# KiCad board Z3660_v021.kicad_pcb (continued)
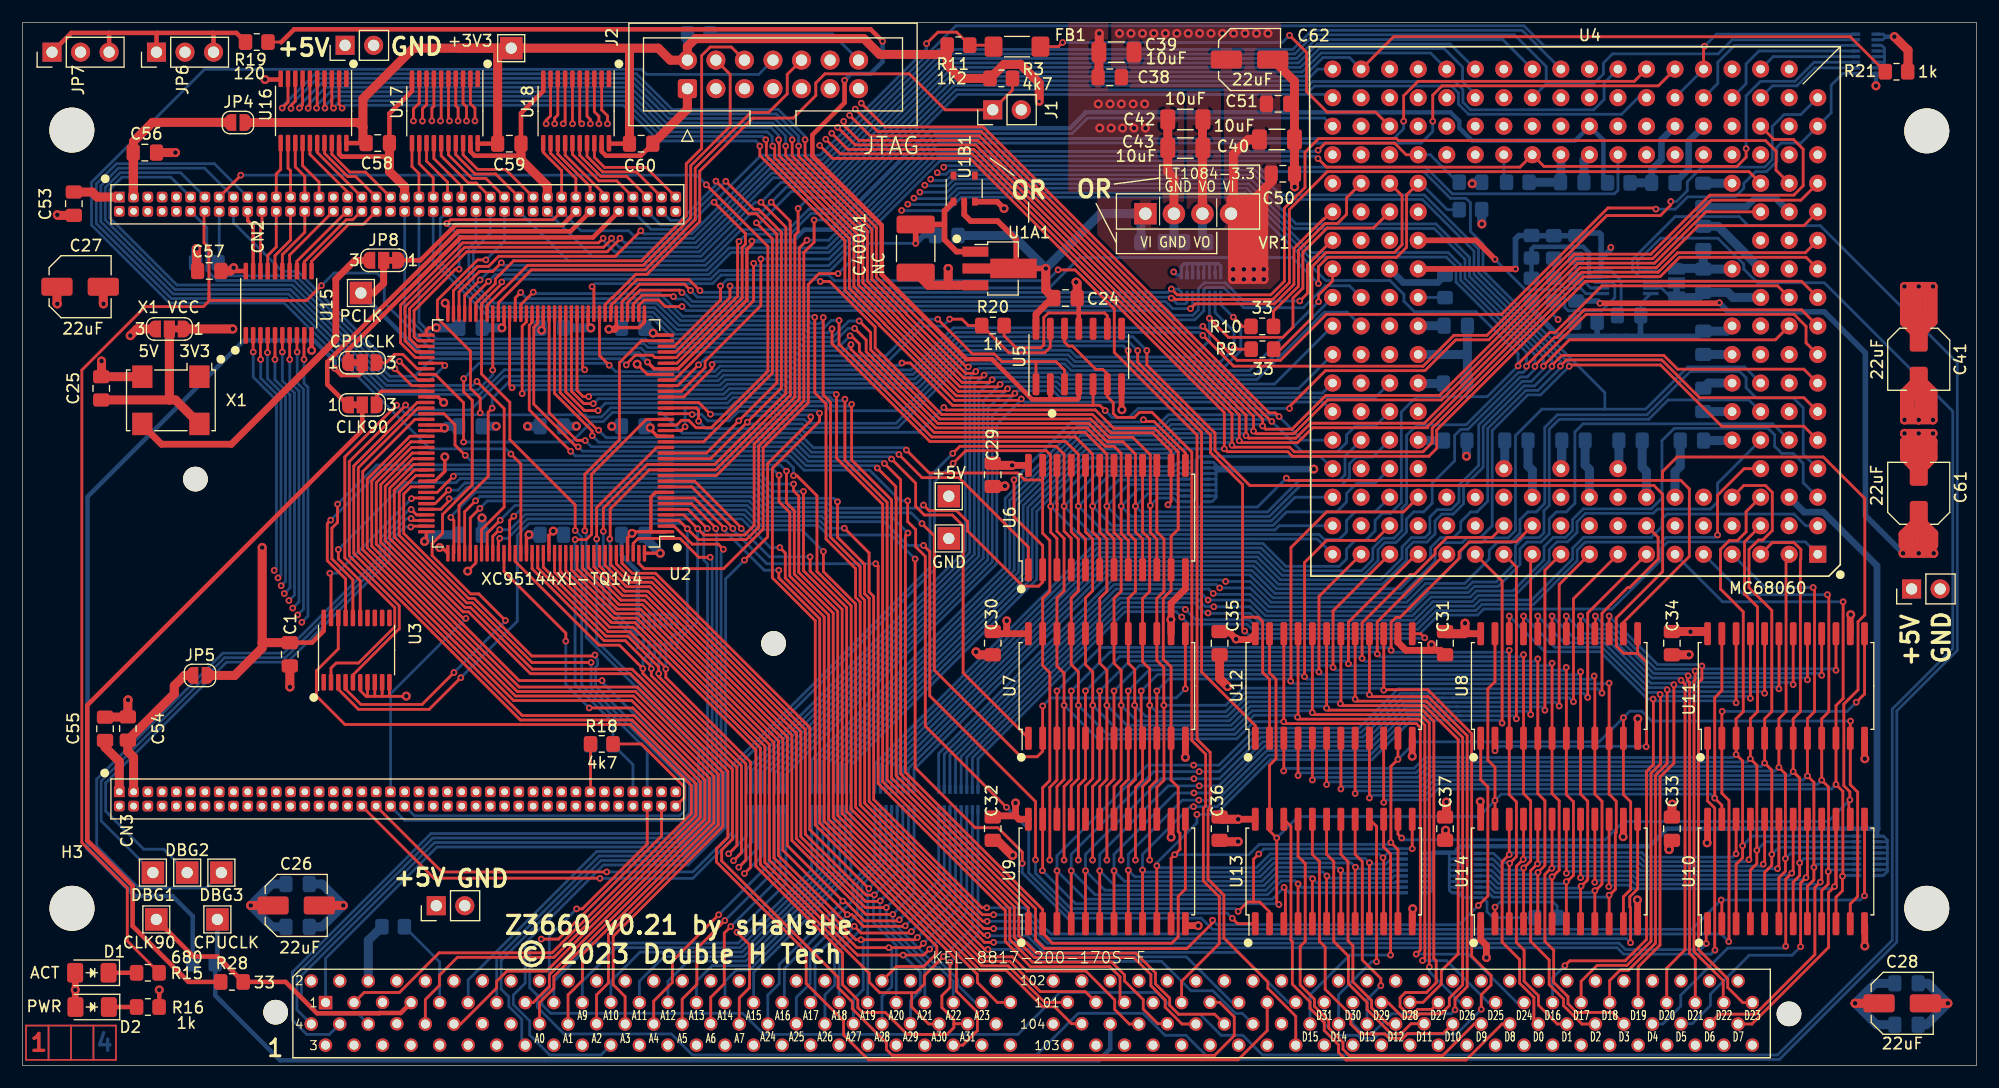
[diagram p0: board, top side]
## Routing (per net, layer and track width the routed paths; a pad name or vN(x,y) marks a point on that pad's centre or on a via; arc(x,y) is an arc through that point) (continued)
D20: length 58.3
  Top w0.25: v2(147.62,34.29) 147.98,33.94 147.98,10.3 146.35,8.67 CN1.185 ; 137.41,38.43 v2(137.41,40.01) ; 157.61,38.43 v2(157.61,33.91)
  Bottom w0.25: v2(137.41,40.01) 138.99,38.43 141.1,38.43 145.04,34.49 147.43,34.49 v2(147.62,34.29) 147.81,34.11 157.41,34.11 v2(157.61,33.91)
D21: length 57.6
  Top w0.25: v2(148.26,34.69) 148.21,34.64 148.21,34.27 148.38,34.1 148.38,9.99 148.89,9.48 CN1.189 ; 138.68,38.43 v2(138.68,40.01) ; 158.88,38.43 v2(158.88,34.33)
  Bottom w0.25: v2(158.88,34.33) 158.7,34.51 148.44,34.51 v2(148.26,34.69) 148.06,34.89 145.2,34.89 141.26,38.83 139.86,38.83 v2(138.68,40.01)
D22: length 58.3
  Top w0.25: 139.95,38.43 140,38.48 v2(140,40.01) ; 160.15,38.43 v2(160.15,34.73) ; CN1.193 151.38,5.65 151.38,7.55 148.78,10.15 148.78,33.94 148.78,34.26 148.88,34.36 v2(148.88,35.11)
  Bottom w0.25: v2(160.15,34.73) 159.97,34.91 149.08,34.91 v2(148.88,35.11) 148.7,35.29 145.37,35.29 141.43,39.23 140.77,39.23 v2(140,40.01)
D23: length 59.6
  Top w0.25: 161.42,38.43 v2(161.42,35.18) ; v2(149.48,35.56) 149.48,34.39 149.18,34.09 149.18,10.32 151.78,7.72 151.78,6.94 153.12,5.6 CN1.197 ; 141.22,38.43 v2(141.22,40.01)
  Bottom w0.25: v2(161.42,35.18) 161.29,35.31 149.73,35.31 v2(149.48,35.56) 149.35,35.69 145.54,35.69 v2(141.22,40.01)
D24: length 105.9
  Top w0.25: 112.27,38.43 112.27,30.62 v2(112.25,30.61) 112.43,30.43 124.08,30.43 124.42,30.09 124.42,10.28 v2(124.05,9.92) ; U6.22 92.08,50.03 92.1,50.01 92.1,49.53 92.08,49.51 92.08,47.56 92.71,46.92 92.71,42.25 92.08,41.62 92.08,35.56 92.71,34.93 v2(92.71,32.06) 92.71,25.46 92.08,24.83 U9.22
  Bottom w0.25: v2(112.25,30.61) 109.61,30.61 108.09,29.08 95.69,29.08 v2(92.71,32.06) ; v2(124.05,9.92) 128.7,9.92 133.01,5.6 CN1.165
D25: length 102.1
  Top w0.25: U9.21 93.35,24.89 93.98,25.53 v2(93.98,32.06) 93.98,35.05 93.35,35.69 93.35,41.62 93.98,42.25 93.98,46.86 93.35,47.5 U6.21 ; 113.54,38.43 113.54,31.06 v2(113.49,31.01) 113.66,30.83 124.29,30.83 124.82,30.3 124.82,9.55 v2(124.61,9.34)
  Bottom w0.25: v2(124.61,9.34) 126.74,9.34 130.48,5.6 CN1.161 ; v2(113.49,31.01) 113.31,31.18 109.62,31.18 107.92,29.48 96.56,29.48 v2(93.98,32.06)
D26: length 98.2
  Top w0.25: U9.20 94.61,24.89 95.26,25.53 v2(95.26,32.06) 95.26,35.04 94.61,35.69 94.61,41.62 95.25,42.25 95.25,46.86 94.61,47.5 U6.20 ; 114.81,38.43 v2(114.81,31.41) 114.98,31.23 124.45,31.23 125.22,30.47 125.22,8.77 v2(125.22,8.76)
  Bottom w0.25: v2(95.26,32.06) 97.44,29.88 107.76,29.88 109.46,31.58 114.63,31.58 v2(114.81,31.41) ; CN1.157 127.98,5.6 125.22,8.36 v2(125.22,8.76)
D27: length 102.1
  Top w0.25: CN1.153 125.43,4.99 124.19,4.99 123.95,4.75 123.13,4.75 122.62,5.26 122.62,6.03 123.09,6.5 124.97,6.5 125.83,7.36 125.83,9.32 125.62,9.53 125.62,30.63 124.62,31.63 116.25,31.63 v2(116.08,31.81) 116.08,38.43 ; U6.19 95.89,47.5 96.52,46.86 96.52,42.23 95.89,41.59 95.89,35.81 96.52,35.18 v2(96.52,32.06) 96.52,25.46 95.89,24.83 U9.19
  Bottom w0.25: v2(116.08,31.81) 115.9,31.98 109.29,31.98 107.59,30.28 98.3,30.28 v2(96.52,32.06)
D28: length 97.3
  Top w0.25: 117.35,38.43 117.35,32.26 v2(117.3,32.21) 117.47,32.03 124.78,32.03 127.79,29.03 127.79,9.93 126.29,8.43 126.29,7.26 124.66,5.63 CN1.149 ; 97.16,53.42 97.16,47.44 97.79,46.81 97.79,42.2 97.16,41.57 97.16,35.81 97.79,35.18 v2(97.79,32.06) 97.79,25.46 97.16,24.82 97.16,21.92
  Bottom w0.25: v2(97.79,32.06) 99.17,30.68 107.42,30.68 109.13,32.38 117.12,32.38 v2(117.3,32.21)
D29: length 101.5
  Top w0.25: U9.17 98.42,24.83 99.05,25.46 99.05,32 v2(98.99,32.06) 99,32.08 99,35.24 98.42,35.81 98.42,41.57 99.06,42.2 99.06,46.74 98.42,47.37 U6.17 ; CN1.145 121.55,5.6 122.84,4.32 124.08,4.32 124.36,4.6 126.26,4.6 127,5.33 127,5.99 128.19,7.18 128.19,29.2 124.95,32.43 118.79,32.43 v2(118.62,32.61) 118.62,38.43
  Bottom w0.25: v2(118.62,32.61) 118.44,32.78 108.96,32.78 107.26,31.08 99.97,31.08 v2(98.99,32.06)
D30: length 105.8
  Top w0.25: v2(127.51,4.95) 127.51,5.93 128.59,7.01 128.59,29.36 125.12,32.83 120.06,32.83 v2(119.89,33.01) 119.89,38.43 ; U6.16 99.7,47.5 100.33,46.86 100.33,42.2 99.7,41.57 99.7,35.94 100.33,35.31 v2(100.33,32.06) 100.33,25.46 99.7,24.83 U9.16
  Bottom w0.25: v2(127.51,4.95) 127.16,4.6 121.89,4.6 120.11,2.82 119.32,2.82 118.41,3.73 CN1.141 ; v2(119.89,33.01) 119.71,33.18 108.79,33.18 107.09,31.48 100.91,31.48 v2(100.33,32.06)
D31: length 110.4
  Top w0.25: U9.15 100.97,24.77 101.6,25.4 101.6,32.05 v2(101.59,32.06) 101.59,35.43 100.97,36.06 100.97,41.57 101.6,42.21 101.6,46.86 100.97,47.5 U6.15 ; 121.16,33.45 125.08,33.45 128.99,29.54 128.99,9.74 130.72,8.01 130.72,7.17 129.84,6.3 v2(129.84,5) ; 121.16,33.45 121.17,33.46 121.17,38.42 121.16,38.43 ; 121.16,33.45 v2(121.16,33.41)
  Bottom w0.25: v2(101.59,32.06) 107.11,32.06 108.63,33.58 120.98,33.58 v2(121.16,33.41) ; CN1.137 115.87,3.73 116.91,2.69 118.85,2.69 119.13,2.41 120.31,2.41 120.69,2.79 127.64,2.79 v2(129.84,5)
D040_0: length 200.5
  Top w0.25: U12.3 112.27,26.24 v2(112.25,26.22) ; U4.39 153.42,49.29 153.42,47.5 152.63,46.71 151.91,46.71 151.13,45.93 151.13,42.41 153.16,40.39 153.16,31.5 152.53,30.86 U11.3 v2(152.53,27.69) 153.1,27.11 v2(153.1,19.56) 153.1,18.48 152.53,17.91 U10.3
  In2.Cu w0.25: v2(112.25,26.22) 112.1,26.07 110.35,26.07 105.31,31.12 19.18,31.12 CN3.7
  Bottom w0.25: RN12.8 153.96,20.42 v2(153.1,19.56) ; v2(112.25,26.22) 112.48,26.45 123.86,26.45 124.82,27.41 152.25,27.41 v2(152.53,27.69)
D040_1: length 195.3
  Top w0.25: U4.21 153.27,46.61 153.27,41.97 154.43,40.81 154.43,31.5 153.8,30.86 U11.4 v2(153.8,27.31) 154.37,26.73 v2(154.37,19.16) 154.37,17.97 153.8,17.4 U10.4 ; U12.4 v2(113.54,25.82)
  In2.Cu w0.25: v2(113.54,25.82) 113.37,25.65 110.21,25.65 105.14,30.72 20.05,30.72 CN3.9
  Bottom w0.25: v2(113.54,25.82) 113.77,26.05 124.02,26.05 124.99,27.01 153.5,27.01 v2(153.8,27.31) ; RN12.7 155.13,19.92 v2(154.37,19.16)
D040_2: length 202.3
  Top w0.25: U10.5 155.07,17.19 155.7,17.83 v2(155.7,18.8) 155.7,26.29 v2(155.07,26.92) U11.5 155.07,30.86 155.7,31.5 155.7,40.51 153.67,42.54 153.67,45.93 154.51,46.77 154.9,46.77 155.75,47.61 155.75,51.01 155.14,51.62 153.21,51.62 U4.40 ; U12.5 v2(114.81,25.42)
  In2.Cu w0.25: v2(114.81,25.42) 114.63,25.24 110.05,25.24 104.98,30.32 20.92,30.32 CN3.11
  Bottom w0.25: v2(155.07,26.92) 154.76,26.61 125.16,26.61 124.19,25.65 115.04,25.65 v2(114.81,25.42) ; v2(155.7,18.8) 156.32,19.42 RN12.6
D040_3: length 189.6
  Top w0.25: U12.6 v2(116.08,25.02) ; U4.2 156.97,45.23 156.97,31.5 156.34,30.86 U11.6 v2(156.34,26.54) 156.91,25.97 v2(156.91,18.42) 156.91,17.29 156.34,16.71 U10.6
  In2.Cu w0.25: v2(116.08,25.02) 115.9,24.84 109.89,24.84 104.81,29.92 21.79,29.92 CN3.13
  Bottom w0.25: v2(116.08,25.02) 116.31,25.25 124.36,25.25 125.32,26.21 156.01,26.21 v2(156.34,26.54) ; RN12.5 157.42,18.92 v2(156.91,18.42)
D040_4: length 192.6
  Top w0.25: v2(157.61,26.16) 158.18,25.59 v2(158.18,18.03) 158.18,16.91 157.61,16.33 157.61,12.62 ; v2(157.61,26.16) 157.61,30.86 158.24,31.5 158.24,45.03 158.29,45.07 158.29,45.93 157.68,46.54 155.75,46.54 U4.3 ; v2(157.61,26.16) 158.12,25.65 ; U12.7 v2(117.35,24.62)
  In2.Cu w0.25: v2(117.35,24.62) 117.17,24.44 109.72,24.44 104.65,29.52 23.93,29.52 18.78,24.36
  Bottom w0.25: v2(158.18,18.03) 158.57,18.42 RN12.4 ; v2(117.35,24.62) 117.58,24.85 124.52,24.85 125.49,25.81 157.26,25.81 v2(157.61,26.16)
D040_5: length 191.6
  Top w0.25: v2(159.38,42.55) 159.51,42.42 159.51,31.5 158.88,30.87 U11.8 v2(158.88,25.78) 159.45,25.21 v2(159.45,17.63) 159.45,16.53 158.88,15.95 U10.8 ; U12.8 v2(118.62,24.22)
  In2.Cu w0.25: v2(118.62,24.22) 118.44,24.04 109.55,24.04 104.48,29.12 24.8,29.12 CN3.19
  Bottom w0.25: v2(159.45,17.63) 159.74,17.92 RN12.3 ; v2(159.38,42.55) 155.13,42.55 U4.4 ; v2(118.62,24.22) 118.85,24.45 124.69,24.45 125.65,25.41 158.51,25.41 v2(158.88,25.78)
D040_6: length 194
  Top w0.25: U12.9 v2(119.89,23.82) ; v2(160.66,41.91) 160.78,41.78 160.78,31.5 160.15,30.86 U11.9 v2(160.15,25.4) 160.76,24.79 160.76,17.29 v2(160.72,17.26) 160.72,16.15 160.15,15.57 U10.9
  In2.Cu w0.25: v2(119.89,23.82) 119.71,23.64 109.39,23.64 104.31,28.72 25.67,28.72 CN3.21
  Bottom w0.25: v2(160.15,25.4) 159.76,25.01 125.82,25.01 124.85,24.05 120.12,24.05 v2(119.89,23.82) ; U4.5 153.23,41.91 v2(160.66,41.91) ; v2(160.72,17.26) 160.88,17.42 RN12.2
D040_7: length 196.5
  Top w0.25: v2(162.05,41.28) 162.05,32.67 161.42,32.04 U11.10 v2(161.42,25.02) 162.03,24.41 162.03,16.88 v2(161.99,16.84) 161.99,15.56 161.42,14.99 U10.10 ; U12.10 v2(121.16,23.42)
  In2.Cu w0.25: v2(121.16,23.42) 120.98,23.24 109.22,23.24 104.15,28.32 26.54,28.32 CN3.23
  Bottom w0.25: U4.6 151.32,41.28 v2(162.05,41.28) ; RN12.1 162.07,16.92 v2(161.99,16.84) ; v2(121.16,23.42) 121.39,23.65 125.02,23.65 125.98,24.61 161.01,24.61 v2(161.42,25.02)
D040_8: length 195.3
  Top w0.25: U13.3 112.41,12.76 112.41,15.74 v2(112.29,15.86) ; U4.25 145.59,47.01 145.59,45.07 143.06,42.55 142.88,42.55 140.59,40.26 v2(140.59,33.15) ; U9.3 v2(92.08,17.33)
  In2.Cu w0.25: CN3.27 28.68,27.92 101.95,27.92 103.13,26.74 v2(104.25,26.74)
  Bottom w0.25: v2(140.59,33.15) 140.21,33.53 122.46,33.53 118.96,30.03 109.8,30.03 106.5,26.74 v2(104.25,26.74) 100.14,26.74 92.08,18.67 v2(92.08,17.33) 94.61,14.8 111.24,14.8 v2(112.29,15.86) 112.77,15.38 RN11.9
D040_9: length 188.1
  Top w0.25: U9.4 v2(93.35,17.33) ; U4.7 139.32,40.27 v2(139.32,32.77) ; U13.4 v2(113.54,16.17)
  In2.Cu w0.25: v2(104.74,26.16) 103.14,26.16 101.79,27.52 29.55,27.52 CN3.29
  Bottom w0.25: RN11.10 122.91,15.86 113.84,15.86 v2(113.54,16.17) 113.27,16.44 112.06,16.44 110.82,15.2 95.48,15.2 v2(93.35,17.33) 93.35,18.8 100.71,26.16 v2(104.74,26.16) 106.54,26.16 110.01,29.63 119.13,29.63 122.62,33.13 138.95,33.13 v2(139.32,32.77)
D040_10: length 182.5
  Top w0.25: v2(138.05,32.39) 138.05,41.54 U4.8 ; U9.5 v2(94.61,17.33) ; v2(114.83,16.62) 114.81,16.6 U13.5
  In2.Cu w0.25: v2(104.27,25.53) 103.21,25.53 101.62,27.12 30.42,27.12 CN3.31
  Bottom w0.25: RN11.11 122.27,16.38 122.16,16.27 115.19,16.27 v2(114.83,16.62) 114.62,16.84 111.89,16.84 110.66,15.6 96.35,15.6 v2(94.61,17.33) 94.61,18.8 101.35,25.53 v2(104.27,25.53) 106.54,25.53 110.24,29.23 119.29,29.23 122.79,32.73 126.35,32.73 127.35,32.73 137.7,32.73 v2(138.05,32.39)
D040_11: length 177.6
  Top w0.25: U9.6 v2(95.89,17.33) ; v2(136.78,32) 136.78,42.81 U4.9 ; U13.6 116.08,16.85 v2(116.1,16.88)
  In2.Cu w0.25: v2(104.74,24.89) 103.28,24.89 101.45,26.72 31.29,26.72 CN3.33
  Bottom w0.25: v2(136.78,32) 136.45,32.33 122.96,32.33 119.46,28.83 110.42,28.83 106.48,24.89 v2(104.74,24.89) 101.98,24.89 95.89,18.8 v2(95.89,17.33) 97.22,16 110.49,16 111.72,17.24 115.74,17.24 v2(116.1,16.88) 116.31,16.67 121.89,16.67 122.1,16.88 RN11.12
D040_12: length 170.8
  Top w0.25: 97.16,12.62 v2(97.16,17.33) ; v2(117.32,17.38) 117.35,17.36 U13.7 ; U4.10 135.51,44.08 v2(135.51,31.62)
  In2.Cu w0.25: v2(104.27,24.26) 103.35,24.26 101.29,26.32 33.43,26.32 CN3.37
  Bottom w0.25: RN11.13 122.04,17.38 121.94,17.28 121.93,17.28 121.74,17.08 117.63,17.08 v2(117.32,17.38) 117.07,17.64 111.56,17.64 110.33,16.4 98.09,16.4 v2(97.16,17.33) 97.16,18.8 102.62,24.26 v2(104.27,24.26) 106.41,24.26 110.59,28.43 119.62,28.43 123.12,31.93 123.31,31.93 124.14,31.93 127.68,31.93 135.2,31.93 v2(135.51,31.62)
D040_13: length 164.7
  Top w0.25: v2(118.64,17.65) 118.62,17.63 U13.8 ; U9.8 v2(98.42,17.38) ; U4.11 134.24,45.35 v2(134.24,31.24)
  In2.Cu w0.25: 34.02,24.36 35.57,25.92 101.12,25.92 103.42,23.62 v2(104.71,23.62)
  Bottom w0.25: v2(134.24,31.24) 133.95,31.53 127.84,31.53 126.85,31.53 123.29,31.53 119.79,28.03 113.32,28.03 110.75,28.03 106.34,23.62 v2(104.71,23.62) 103.25,23.62 98.42,18.8 v2(98.42,17.38) 99.01,16.8 110.16,16.8 111.39,18.04 118.26,18.04 v2(118.64,17.65) 118.82,17.48 121.57,17.48 121.77,17.68 121.78,17.68 121.98,17.88 RN11.14
D040_14: length 159.9
  Top w0.25: U9.9 v2(99.7,17.4) ; v2(132.97,30.86) 132.97,44.39 U4.12 ; U13.9 v2(119.89,18.05)
  In2.Cu w0.25: CN3.43 36.44,25.52 100.96,25.52 103.43,23.04 v2(104.23,23.04)
  Bottom w0.25: RN11.15 121.79,18.38 121.34,17.92 120.02,17.92 v2(119.89,18.05) 119.51,18.44 111.23,18.44 109.99,17.2 99.89,17.2 v2(99.7,17.4) 99.7,18.8 103.94,23.04 v2(104.23,23.04) 106.33,23.04 110.92,27.63 112.49,27.63 113.49,27.63 119.95,27.63 123.45,31.13 124.7,31.13 128.01,31.13 132.7,31.13 v2(132.97,30.86)
D040_15: length 154.9
  Top w0.25: U9.10 v2(100.97,17.78) ; U4.13 131.7,43.12 v2(131.7,30.48) ; U13.10 121.16,18.44 v2(121.1,18.5)
  In2.Cu w0.25: v2(104.53,22.35) 103.55,22.35 100.79,25.12 38.65,25.12 38.64,25.11 38.57,25.11 CN3.47
  Bottom w0.25: RN11.16 121.48,18.88 v2(121.1,18.5) 120.76,18.84 111.06,18.84 109.83,17.6 101.14,17.6 v2(100.97,17.78) 100.97,18.03 104.53,21.6 v2(104.53,22.35) 106.21,22.35 111.09,27.23 113.65,27.23 119.46,27.23 120.12,27.23 120.84,27.96 123.62,30.73 131.45,30.73 v2(131.7,30.48)
D040_16: length 180.4
  Top w0.25: U4.29 132.95,46.61 128.78,46.61 127.87,45.7 127.87,45.14 122.62,39.89 122.26,39.89 121.82,39.45 v2(121.82,36.96) ; v2(91.44,18.29) 91.44,24.77 92.08,25.4 U7.3 v2(92.08,33.34) ; U14.3 132.33,17.95 v2(132.38,18) 132.97,18.59 132.97,23.47 132.33,24.1 U8.3 v2(132.33,36.96)
  In2.Cu w0.25: CN3.16 21.17,19.43 90.3,19.43 v2(91.44,18.29)
  Bottom w0.25: v2(132.38,18) 132.32,18.07 131.77,18.07 130.95,18.88 RN9.9 ; v2(92.08,33.34) 95.95,37.21 121.56,37.21 v2(121.82,36.96) 121.99,36.78 132.16,36.78 v2(132.33,36.96)
D040_17: length 173.8
  Top w0.25: U14.4 133.6,17.57 v2(133.62,17.59) 134.24,18.2 134.24,23.57 133.6,24.21 U8.4 v2(133.6,36.58) ; v2(120.59,36.64) 120.58,36.65 120.58,39.48 126.6,45.5 U4.14 ; v2(93.35,33.34) 93.35,33.34 U7.4 93.35,25.46 92.71,24.83 v2(92.71,18.29)
  In2.Cu w0.25: 18.78,23.09 22.04,19.83 91.17,19.83 v2(92.71,18.29)
  Bottom w0.25: v2(133.6,36.58) 133.41,36.38 120.85,36.38 v2(120.59,36.64) 120.42,36.81 96.82,36.81 v2(93.35,33.34) ; RN9.10 130.89,18.38 131.88,17.39 133.42,17.39 v2(133.62,17.59)
D040_18: length 182.5
  Top w0.25: v2(94.61,33.34) U7.5 94.61,25.53 93.98,24.89 v2(93.98,18.29) ; v2(119.23,36.24) 119.23,39.4 123.52,43.69 123.88,43.69 125.73,45.54 125.73,45.93 126.81,47.01 130.81,47.01 U4.30 ; U14.5 134.87,17.17 v2(134.89,17.19) 135.51,17.8 135.51,23.57 134.87,24.21 U8.5 134.87,36.19 v2(134.88,36.2)
  In2.Cu w0.25: v2(93.98,18.29) 92.04,20.23 22.91,20.23 CN3.20
  Bottom w0.25: v2(94.61,33.34) 97.69,36.41 119.06,36.41 v2(119.23,36.24) 119.49,35.98 134.66,35.98 v2(134.88,36.2) ; v2(134.89,17.19) 134.69,16.99 131.71,16.99 130.82,17.88 RN9.11
D040_19: length 176
  Top w0.25: U14.6 136.14,16.8 v2(136.15,16.8) 136.18,16.8 136.78,17.39 136.78,23.57 136.14,24.21 U8.6 v2(136.14,35.81) ; v2(95.25,18.29) 95.25,24.83 95.89,25.46 U7.6 v2(95.89,33.34) ; v2(118.02,35.76) 118.02,39.46 124.06,45.5 U4.15
  In2.Cu w0.25: v2(95.25,18.29) 92.9,20.64 23.77,20.64 CN3.22
  Bottom w0.25: v2(95.89,33.34) 98.56,36.01 117.76,36.01 v2(118.02,35.76) 118.19,35.58 135.91,35.58 v2(136.14,35.81) ; RN9.12 130.76,17.38 131.55,16.59 135.93,16.59 v2(136.15,16.8)
D040_20: length 175.2
  Top w0.25: v2(116.65,35.43) 116.65,40.47 U4.16 ; v2(96.52,18.29) 96.52,24.86 97.16,25.5 v2(97.16,33.34) ; v2(137.41,35.43) U8.7 137.41,24.12 138.05,23.48 138.05,16.94 137.65,16.54 137.59,16.54 v2(137.41,16.36) U14.7
  In2.Cu w0.25: 23.86,23.09 25.91,21.04 93.77,21.04 v2(96.52,18.29)
  Bottom w0.25: v2(97.16,33.34) 99.43,35.61 116.47,35.61 v2(116.65,35.43) 116.9,35.18 137.16,35.18 v2(137.41,35.43) ; v2(137.41,16.36) 137.24,16.19 131.38,16.19 130.69,16.88 RN9.13
D040_21: length 175.8
  Top w0.25: U14.8 138.68,15.92 v2(138.73,15.97) 138.73,15.98 138.89,16.14 138.92,16.14 139.26,16.48 139.26,16.51 139.32,16.57 139.32,23.52 138.68,24.16 U8.8 v2(138.68,35.05) ; U4.17 115.4,41.75 v2(115.4,35.02) ; v2(97.79,18.29) 97.79,24.83 98.42,25.46 U7.8 98.41,29.14 98.41,33.33 v2(98.42,33.34)
  In2.Cu w0.25: v2(97.79,18.29) 94.64,21.44 26.78,21.44 CN3.28
  Bottom w0.25: v2(138.73,15.97) 138.55,15.79 131.22,15.79 130.62,16.38 RN9.14 ; v2(98.42,33.34) 100.3,35.21 115.21,35.21 v2(115.4,35.02) 115.64,34.78 138.41,34.78 v2(138.68,35.05)
D040_22: length 183.6
  Top w0.25: U14.9 139.95,15.56 v2(139.96,15.56) 139.97,15.56 140.14,15.74 140.18,15.74 140.52,16.08 140.52,16.11 140.59,16.18 140.59,23.52 139.95,24.16 U8.9 139.95,34.61 v2(139.89,34.67) ; U4.34 120.38,46.74 116.08,46.74 114.11,44.77 v2(114.11,34.62) ; v2(99.57,33.34) 99.57,29.25 U7.9 99.7,25.4 99.06,24.77 v2(99.06,18.29)
  In2.Cu w0.25: CN3.30 27.65,21.84 95.51,21.84 v2(99.06,18.29)
  Bottom w0.25: RN9.15 130.56,15.88 131.05,15.39 139.78,15.39 v2(139.96,15.56) ; v2(139.89,34.67) 139.6,34.38 114.35,34.38 v2(114.11,34.62) 113.92,34.81 101.04,34.81 v2(99.57,33.34)
D040_23: length 189.8
  Top w0.25: U14.10 141.22,15.16 v2(141.23,15.16) 141.23,15.17 141.39,15.34 141.43,15.34 141.77,15.68 141.77,15.71 141.78,15.72 141.78,20.66 141.86,20.74 141.86,23.52 141.22,24.16 U8.10 v2(141.22,34.04) ; U4.51 122.92,49.28 116.08,49.28 112.9,46.1 112.9,34.37 112.88,34.34 v2(112.88,34.21) ; v2(100.97,33.34) U7.10 100.97,25.4 100.33,24.77 v2(100.33,18.29)
  In2.Cu w0.25: v2(100.33,18.29) 96.38,22.24 28.52,22.24 CN3.32
  Bottom w0.25: v2(141.23,15.16) 141.05,14.99 130.89,14.99 130.51,15.37 129.56,15.37 RN9.16 ; v2(100.97,33.34) 102.04,34.41 112.68,34.41 v2(112.88,34.21) 113.11,33.98 141.17,33.98 v2(141.22,34.04)
D040_24: length 138.9
  Top w0.25: 92.08,44.12 92.08,46.92 91.52,47.47 v2(91.52,49.77) ; CN3.36 36.63,16.67 51.38,16.67 v2(51.4,16.66) ; v2(82.83,53.59) 83.95,54.72 91.13,54.72 91.5,54.35 91.5,49.79
  Bottom w0.25: RN7.8 102.85,53.69 102.48,53.31 95.07,53.31 v2(91.52,49.77) 94.42,46.87 115.25,46.87 U4.18 ; v2(51.4,16.66) 59.66,16.66 63.57,20.57 63.57,26.56 81.17,44.17 81.17,51.94 v2(82.83,53.59)
D040_25: length 143.1
  Top w0.25: v2(52.01,17.23) 37.34,17.23 CN3.38 ; 93.35,44.12 93.35,46.93 92.71,47.57 v2(92.71,49.78) 92.71,54.41 92,55.12 83.44,55.12 v2(82.8,54.48)
  Bottom w0.25: U4.52 120.38,49.28 118.62,49.28 117.86,48.51 117.86,47.5 117.18,46.82 115.86,46.82 115.41,47.27 95.22,47.27 v2(92.71,49.78) 95.84,52.91 102.64,52.91 102.92,53.19 RN7.7 ; v2(52.01,17.23) 59.67,17.23 63.17,20.74 63.17,26.73 80.77,44.33 80.77,52.45 v2(82.8,54.48)
D040_26: length 113.4
  Top w0.25: v2(72.06,65.57) 72.06,64.25 80.76,55.55 92.84,55.55 93.98,54.41 v2(93.98,49.78) 93.98,47.5 94.61,46.86 94.61,44.12
  Bottom w0.25: CN2.52 40.37,73.37 39.73,72.73 39.73,69.53 41.79,67.46 56.28,67.46 58.25,65.49 69.66,65.49 69.93,65.22 71.7,65.22 v2(72.06,65.57) ; RN7.6 102.99,52.69 102.81,52.51 96.71,52.51 v2(93.98,49.78) 96.09,47.67 111.48,47.67 111.85,48.04 U4.36
D040_27: length 119.8
  Top w0.25: 95.89,44.12 95.89,46.86 95.25,47.5 v2(95.25,49.78) 95.25,54.41 93.71,55.95 80.93,55.95 72.68,64.19 v2(72.68,66.32)
  Bottom w0.25: RN7.5 103.05,52.19 102.97,52.11 97.58,52.11 v2(95.25,49.78) 96.96,48.07 111.31,48.07 112.52,49.28 116.97,49.28 117.86,50.17 117.86,50.93 118.74,51.82 120.38,51.82 U4.58 ; v2(72.68,66.32) 71.99,66.32 71.29,65.62 70.09,65.62 69.82,65.89 58.41,65.89 56.45,67.86 41.96,67.86 40.13,69.69 40.13,72.57 41.64,74.07 41.64,76.03
D040_28: length 117.4
  Top w0.25: 97.16,44.12 97.16,46.86 96.52,47.5 v2(96.52,49.78) 96.52,54.41 94.58,56.35 81.15,56.35 73.74,63.75 v2(73.74,64.17)
  Bottom w0.25: v2(73.74,64.17) 73.2,63.62 69.27,63.62 68.99,63.89 55.67,63.89 55.31,64.26 36.66,64.26 34.02,66.9 34.02,76.03 ; U4.54 113.26,50.58 111.14,48.47 97.83,48.47 v2(96.52,49.78) 98.45,51.71 103.14,51.71 103.16,51.69 RN7.4
D040_29: length 123.2
  Top w0.25: 98.42,44.12 98.42,46.74 97.79,47.37 v2(97.79,49.78) 97.79,54.48 97.16,55.11 96.38,55.11 94.75,56.75 81.31,56.75 74.49,63.57 74.49,64.23 73.77,64.95 v2(73.66,64.95)
  Bottom w0.25: CN2.44 35.29,66.19 36.82,64.66 55.47,64.66 55.84,64.29 69.16,64.29 69.43,64.02 72.73,64.02 v2(73.66,64.95) ; RN7.3 103.07,51.19 102.95,51.31 99.32,51.31 v2(97.79,49.78) 98.7,48.87 110.98,48.87 113.75,51.64 117.39,51.64 118.11,52.36 118.11,53.55 118.72,54.16 120.19,54.16 U4.64
D040_30: length 115.2
  Top w0.25: 99.7,44.12 99.7,46.86 99.06,47.5 v2(99.06,49.78) 99.06,54.41 97.96,55.51 96.55,55.51 94.91,57.15 81.48,57.15 75.1,63.53 75.1,64.58 v2(74.07,65.61)
  Bottom w0.25: CN2.46 36.56,71.55 41.45,66.66 55.95,66.66 57.92,64.69 69.33,64.69 69.6,64.42 72.29,64.42 73.47,65.61 v2(74.07,65.61) ; RN7.2 102.91,50.69 102.69,50.91 100.19,50.91 v2(99.06,49.78) 99.57,49.27 110.81,49.27 113.63,52.09 117.24,52.09 117.71,52.56 117.71,54.23 U4.65
D040_31: length 108.4
  Top w0.25: 100.97,44.12 100.97,46.86 100.38,47.44 v2(100.38,49.84) 100.38,54.35 98.83,55.91 96.71,55.91 95.08,57.55 81.64,57.55 75.5,63.7 75.5,65.25 v2(74.47,66.27)
  Bottom w0.25: v2(74.47,66.27) 73.57,66.27 72.12,64.82 69.76,64.82 69.49,65.09 58.08,65.09 56.11,67.06 41.63,67.06 37.19,71.5 37.19,75.39 CN2.48 ; v2(100.38,49.84) 101.05,50.51 102.42,50.51 102.74,50.19 RN7.1 104.21,50.19 104.44,50.43 104.44,53.88 104.78,54.21 115.52,54.21 U4.60
Earth: length 412.6
  Top w0.25: U2.114 40.36,44.74 v1(39.62,44) ; 31.97,32.86 32.61,32.86 ; 31.97,32.86 31.36,32.86 ; 31.97,32.86 32.01,32.9 U3.9 ; 32.61,32.86 32.66,32.92 U3.10 ; 32.61,32.86 34.15,32.86 v1(34.16,32.88) ; U3.6 30.06,33.38 30.58,32.86 30.75,32.86 ; C43.2 101.94,80.99 ; 31.36,32.86 30.75,32.86 ; 31.36,32.86 U3.8 ; CN3.67 50.56,24.4 R18.1 ; U3.7 30.71,32.9 30.75,32.86 ; v1(54.71,62.42) 55.62,61.51 U2.29 ; 37.33,56.51 v1(37.56,56.74) ; R20.2 87.38,64.95 88.44,63.89 90.66,63.89 90.91,64.13 90.91,66.58 91.31,66.98 96.32,66.98 96.56,66.74 U5.9
  Top w0.3: v1(37.59,54.18) 37.59,52.89 36.71,52.01 U2.99 ; v1(42.67,65.66) 42.86,65.85 U2.62 ; CN2.20 20.05,75.2 20.53,74.72 U15.19 ; U2.108 35.95,46.8 v1(35.79,46.65) ; U2.18 56.5,56.01 55.88,56.64 v1(55.88,56.77) ; U2.36 56.31,65.01 v1(56.13,65.19) ; v1(37.56,56.74) 37.29,57.01 U2.89 ; U2.144 56.76,45.6 v1(56.77,45.59) ; v1(45.09,47.24) 44.86,47.02 U2.123 ; U2.47 50.36,65.88 v1(50.59,65.65) ; v1(37.62,67.86) 37.86,67.63 U2.72 ; U2.90 37.33,56.51
  Top w0.4: v1(25.73,63.66) 25.73,63.66 U15.10 ; C58.2 32.66,84.73 34.67,86.74 U17.10 ; v1(21.59,87.76) 22.91,87.76 U16.10 ; R16.1 12.18,5.22 v1(12.18,6.73) ; 32.64,80.9 28.41,80.9 28.18,81.13 U16.19 ; U17.19 39.87,81.36 40.25,80.98 44.3,80.98 44.37,81.05 44.37,84.76 46.35,86.74 U18.10 ; U5.11 94.02,68.16 C24.2 ; U18.19 51.55,81.36 51.94,80.98 55.03,80.98 C60.2
  Top w0.5: v1(87.37,76.27) 86.76,76.88 84.77,76.88 ; v1(97.86,58.37) 97.83,58.39 U5.7
  Top w0.6: U14.14 142.49,20.39 v1(142.47,20.37) ; 126.31,36.55 C31.2 126.22,36.96 125.4,36.96 ; 122.43,38.43 122.43,37.67 123.14,36.96 124.43,36.96 ; 163.98,12.47 v1(163.98,10.64) ; U14.12 143.76,14.72 v1(143.74,14.74) ; 125.4,36.96 124.43,36.96 ; 125.4,36.96 125.4,37.45 v1(125.41,37.46) ; 162.69,38.43 162.69,40.09 v1(162.73,40.13) ; U11.12 163.96,27.33 v1(163.98,27.31) ; U13.12 123.7,13.91 v1(123.74,13.96) ; 124.43,36.96 124.91,36.96 ; U12.12 v1(123.7,27.52) ; v1(143.78,30.86) 143.76,30.85 U8.12 ; v1(104.65,12.45) 103.68,12.45 U9.12 ; U9.14 v1(102.23,20.32) ; 103.51,44.12 103.51,42.42 102.23,41.15 102.23,38.43 102.23,39.68 v1(102.22,39.7) ; U7.12 v1(103.51,27.43) ; U14.1 129.79,11.2 130.3,10.69 v1(130.3,9.61)
  Top w0.8: 168.81,61.21 167.51,59.91 v1(167.51,57.47) v1(170.05,57.47) 170.05,59.97 168.81,61.21 ; 168.81,61.21 168.81,57.5 v1(168.78,57.47) ; C35.2 106.55,34.44 v1(107.26,33.74) ; v1(88.14,18.72) 88.07,18.72 86.61,20.17 ; 34.02,77.3 34.02,78.22 32.66,79.57 C58.2 ; v1(82.4,70.94) 82.4,69.44 ; 82.4,69.44 84.52,69.44 ; 82.4,69.44 80.64,69.44 C400A1.2 ; 169.48,53.5 169.48,56.2 169.42,56.26 ; 168.21,53.37 168.21,55.56 v1(167.51,56.26) v1(170.05,56.26) ; 113.22,85.66 C40.2 113.22,79.13 ; 113.22,85.66 113.22,87.6 C62.2 ; 113.22,85.66 113.16,85.73 112.8,85.73 ; 169.55,57.53 169.55,59.82 169.16,60.2 ; 113.22,79.13 113.22,78.22 v1(113.23,78.21) ; 113.22,79.13 C50.2 ; VR1.2 102.49,78.99 101.94,79.54 101.94,80.99 ; C34.2 148.31,36.55 v1(148.34,36.58) ; C33.2 146.56,19.79 v1(146.56,19.22) 146.56,20.04 ; C55.2 9.36,31.01 C54.2 9.38,32.52 v1(9.4,32.54) ; C30.2 85.13,36.55 v1(84.87,36.81) ; v1(7.04,62.7) 7.04,61.34 C25.2 10.66,61.31 X1.2 ; 168.78,52.8 167.51,54.07 167.51,55.56 168.78,54.29 170.05,55.56 170.05,54.07 168.78,52.8 ; 168.78,52.8 v1(168.78,56.26) ; C26.2 v1(28.55,14.25) ; v1(108.2,19.94) 108.18,19.92 106.68,19.92 C36.2 ; v1(3.1,75.72) 3.15,75.67 C53.2 ; C24.2 93.87,69.63 v1(93.78,69.72) ; 169.25,5.54 v1(171.37,5.54) ; C1.2 23.8,35.56 v1(23.8,33.69) ; CN2.61 46.72,78.28 44.37,80.63 C59.2 ; C57.2 15.49,70.82 v1(15.49,72.72) ; C60.2 59.18,85.13 J2.1 ; v1(87.45,51.59) 87.4,51.54 C29.2 ; 168.27,59.94 168.02,59.69 168.02,57.53 ; v1(95.84,91.86) 95.84,90.23 C39.2 95.81,88.03 C38.2 ; v1(168.78,57.47) 168.02,58.23 ; v1(168.78,57.47) 169.42,58.1 ; C43.2 C42.2 ; C27.2 7.19,67.81 v1(7.21,67.79) ; 126.67,20.07 v1(126.67,20.94) ; v1(13.61,81.25) C56.2
  In1.Cu w0.3: CN2.70 CN2.71 ; CN3.24 23.86,24.36 ; CN2.30 CN2.31 ; CN3.34 CN3.35 ; CN2.60 CN2.61 ; CN2.40 34.02,77.3 ; CN2.20 CN2.21
  Bottom w0.25: U1.5 141.41,70.71 142.29,69.82 142.29,67.1 C63.2 ; CN3.67 50.56,24.4 R1.2 ; 165.72,89.41 165.72,88.9 ; 165.72,89.41 165.61,89.3 RN1.6 ; 165.72,89.41 165.72,89.79 ; 165.72,88.9 165.62,88.8 RN1.7 ; 165.72,88.9 165.72,88.52 165.5,88.3 RN1.8 ; 165.72,89.79 165.72,89.8 RN1.5 ; 165.72,89.79 165.72,90.17 ; RN1.4 165.6,90.3 165.72,90.17 ; 165.72,90.17 165.72,90.56 165.48,90.8 RN1.3 ; 164.97,87.2 v1(164.97,87.2) ; JP12.1 146.74,68.35 145.88,69.21 U1.9